# Altium PCB mV_meter.PcbDoc (part 1 of 3) (continued)
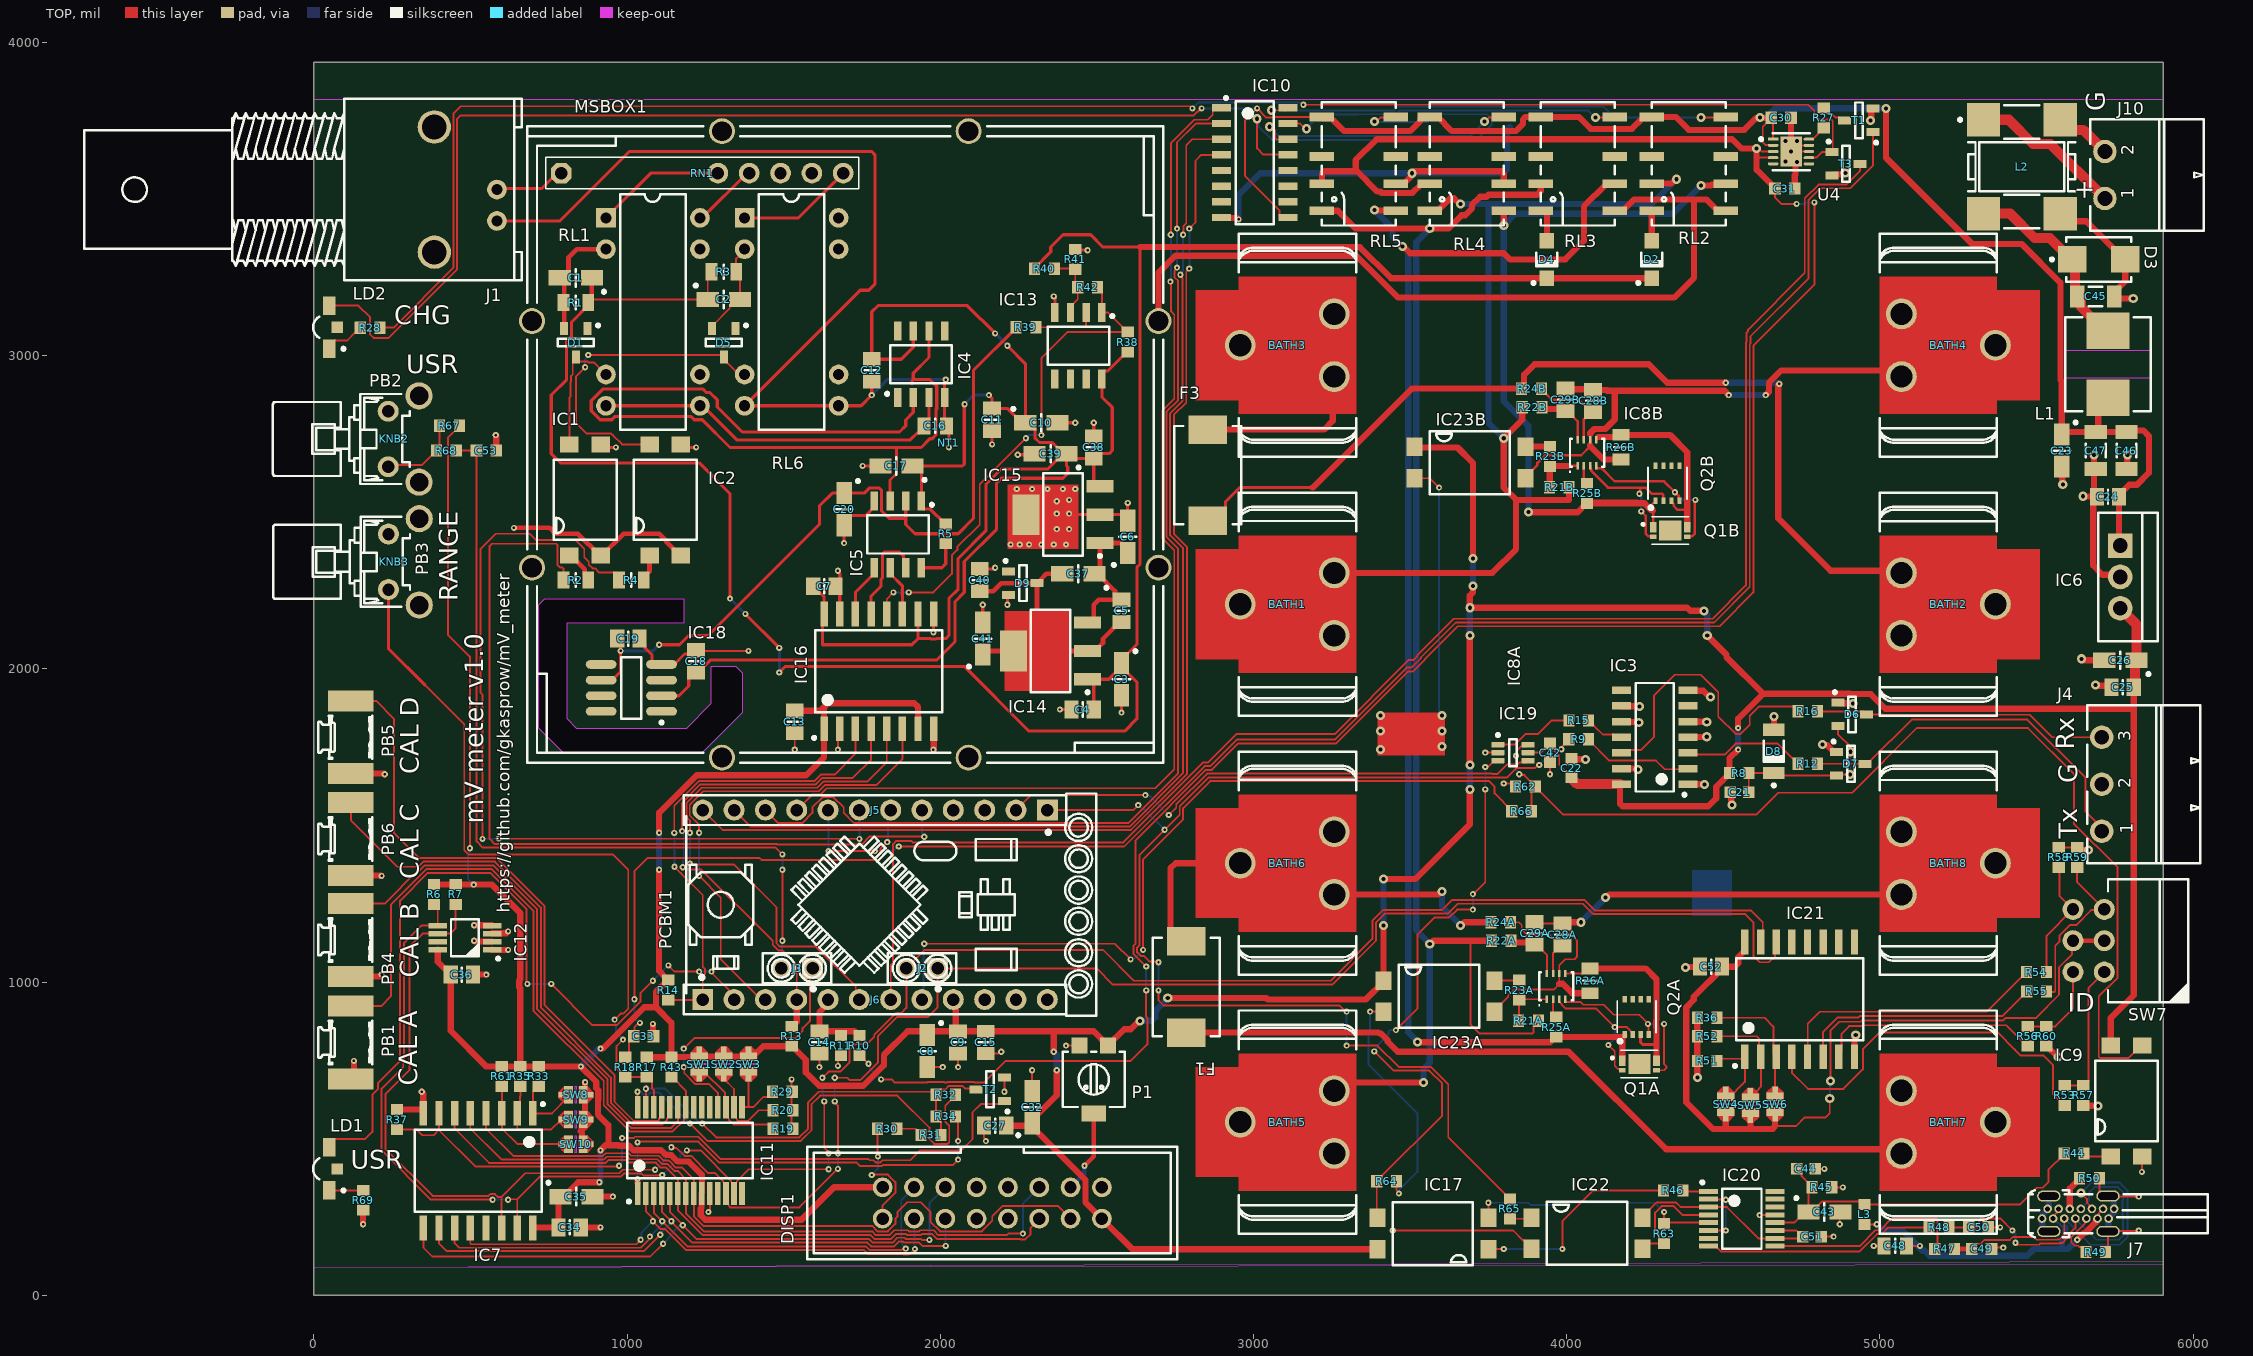
[diagram p0: TOP view]
## Part data (continued)
C49 C50: library part CC0603_47PF_50V_5%_NP0, "Non-polarised capacitor", Case=0603, Manufacturer=GENERIC, Manufacturer1 ComponentHeight=0.87mm, Manufacturer1 Example=PHYCOMP, Manufacturer1 Part Number=223886715479, Tolerance=±5%, Voltage=50V, Author="CERN DEM JLC", Component Type=Standard, CreateDate=03.12.2007, HelpURL=\\cern.ch\dfs\Applications\Altium\Datasheets\CC0603_NP0_PHYCOMP.pdf, LatestRevisionDate=03.12.2007, Manufacturer Part Number=CC0603_47PF_50V_5%_NP0, Mounted=Yes, Part Description="SMD Multilayer Chip Ceramic Capacitor", Part Number=CC0603_47PF_50V_5%_NP0, Pin Count=2, Sense=No, SMD=Yes, Socket=No, Status=Preferred, TC=C0G/NP0
D1 D5 D6 D7 D9: "Serial Diode", Case=SOT23-3, Manufacturer="FAIRCHILD SEMICONDUCTOR", Power=350mW, Voltage=70V, Author="CERN DEM JLC", Bonding=No, Component Type=Standard, ComponentHeight=1.1mm, CreateDate=06.05.2008, Device=BAV99, HelpURL=\\cern.ch\dfs\Applications\Altium\Datasheets\BAV99.pdf, LatestRevisionDate=27.09.2012, Manufacturer Part Number=BAV99, Mounted=Yes, PackageDescription="SOT, 0.95mm Pitch; 3 Pin, 1.40mm W X 3.00mm L X 1.10mm H body, IPC Medium Density", Part Description="Dual Series Signal Diode", Part Number=BAV99, Pin Count=3, PressFit=No, Sense=No, SMD=Yes, Socket=No
D2 D4: "Schottky Diode", Case=SOD-123FL, Manufacturer="ON SEMICONDUCTOR", Power=2A, Voltage=40V, Author="CERN DEM BC", Bonding=No, Component Type=Standard, ComponentHeight=1.08mm, CreateDate=06.10.2020, Device=SS24FL, HelpURL=\\cern.ch\dfs\Applications\Altium\Datasheets\SS24FL.pdf, LatestRevisionDate=06.10.2020, Manufacturer Part Number=SS24FL, Mounted=Yes, PackageDescription="SODFL Diode (SOD123FL); 2.75mm W X 1.72mm L X 1.08mm H body, IPC Medium Density", Part Description="Surface Mount Schottky Barrier Rectifier", Part Number=SS24FL, Pin Count=2, PressFit=No, Sense=No, SMD=Yes, Socket=No
D3: "Zener Diode", Case=DO-214AA, Manufacturer="FAIRCHILD SEMICONDUCTOR", Power=600W, Voltage=12V, Author="CERN DEM JLC", Bonding=No, Component Type=Standard, ComponentHeight=2.65mm, CreateDate=10.04.2013, Device=SMBJ12A, HelpURL=\\cern.ch\dfs\Applications\Altium\Datasheets\SMBJ.pdf, LatestRevisionDate=10.04.2013, Manufacturer Part Number=SMBJ12A, Mounted=Yes, PackageDescription="DO-214-AA/SMB Diode, Molded Body; 5.34mm L X 3.625mm W X 2.65mm H, IPC Medium Density", Part Description="Uni-Directional Transient Voltage Suppressor Diode", Part Number=SMBJ12A, Pin Count=2, PressFit=No, Sense=No, SMD=Yes, Socket=No
D8: "Zener Diode", Case=SOD-80C, Manufacturer=NEXPERIA, Power=500mW, Voltage=3V3, Author="CERN DEM JLC", Bonding=No, Component Type=Standard, ComponentHeight=1.6mm, CreateDate=06.05.2008, Device=BZV55-B3V3, HelpURL=\\cern.ch\dfs\Applications\Altium\Datasheets\BZV55.pdf, LatestRevisionDate=22.01.2018, Manufacturer Part Number=BZV55-B3V3, Mounted=Yes, PackageDescription="SOD80C, MELF Diode, 2-Leads, Body 3.5x1.5mm, IPC Medium Density", Part Description="Voltage Regulator Diode", Part Number=BZV55-B3V3, Pin Count=2, PressFit=No, Sense=No, SMD=Yes, Socket=No
DISP1: "LCD character display socket with backlight"
F1 F3: library part FUSR_BOURNS_MF-SM300-2, "Fuse", Manufacturer=BOURNS, Manufacturer Part Number=MF-SM300-2, Author="CERN DEM JLC", Component Type=Standard, ComponentHeight=3mm, CreateDate=15.08.2013, Family="Fuses Resettable", HelpURL=\\cern.ch\dfs\Applications\Altium\Datasheets\FUSR_BOURNS_MF-SM300-2.pdf, LatestRevisionDate=15.08.2013, Mounted=Yes, PackageDescription="PolySwitch, 2-Leads, Body 7.35x5.12mm Nominal", Part Description="PTC Resettable Fuse", Part Number=FUSR_BOURNS_MF-SM300-2, Pin Count=2, PressFit=No, Sense=No, SMD=Yes, Socket=No
IC1 IC2 IC9 IC17 IC22 IC23A IC23B: "Single Optocoupler", Case=SOIC4, Manufacturer="FAIRCHILD SEMICONDUCTOR", Author="CERN DEM JLC", Bonding=No, Component Type=Standard, ComponentHeight=4.6mm, CreateDate=21.07.2014, Device=FOD817DSD, HelpURL=\\cern.ch\dfs\Applications\Altium\Datasheets\FOD817DSD.pdf, LatestRevisionDate=21.07.2014, Manufacturer Part Number=FOD817DSD, Mounted=Yes, PackageDescription="SOIC, 2.54mm Pitch; 4 Pin, 6.50mm W X 4.60mm L X 4.60mm H body", Part Description="4-Pin High Operating Temperature Phototransistor Optocoupler", Part Number=FOD817DSD, Pin Count=4, PressFit=No, Sense=No, SMD=Yes, Socket=No
IC3: "Quadruple Bus Buffer with 3-State Outputs", Case=SOIC14, Manufacturer="TEXAS INSTRUMENTS", Author="CERN DEM JLC", Bonding=No, Component Type=Standard, ComponentHeight=1.75mm, CreateDate=30.06.2011, Device=SN74HC125D, HelpURL=\\cern.ch\dfs\Applications\Altium\Datasheets\SN74HC125D.pdf, LatestRevisionDate=30.06.2011, Manufacturer Part Number=SN74HC125D, Mounted=Yes, PackageDescription="SOIC 14, Pitch 1.27mm - Body 4x8.75mm, IPC Medium Density", Part Description="Quadruple Bus Buffer with 3-State Outputs", Part Number=SN74HC125D, Pin Count=14, PressFit=No, Sense=No, SMD=Yes, Socket=No
IC4: "Operational Amplifier", Case=SOIC8, Manufacturer="ANALOG DEVICES", Manufacturer Part Number=AD8628AR, Author="CERN DEM JMW", Bonding=No, Component Type=Standard, ComponentHeight=1.75mm, CreateDate=30.11.2009, Device=AD8628ARZ, HelpURL=\\cern.ch\dfs\Applications\Altium\Datasheets\AD8628ARZ.pdf, LatestRevisionDate=29.03.2022, Mounted=Yes, PackageDescription="SOIC 8, Pitch 1.27mm - Body 4x5mm, IPC Medium Density", Part Description="Zero-Drift, Single-Supply, Rail-to-Rail Input/Output Operational Amplifier", Part Number=AD8628ARZ, Pin Count=8, PressFit=No, Sense=No, SMD=Yes, Socket=No
IC5: library part ADC_LTC2400IS8PBF, "24-Bit μPower / No Latency ∆ΣTM ADC in SO-8", Manufacturer="Analog Devices", MPN=LTC2400IS8#PBF, Package=SOIC-8, PartNumber=LTC2400IS8PBF, DeviceSetName=LTC2400IS8PBF, GateName_1=A, LibraryName=LTC_By_element14_Batch_1, OC_FARNELL=1500953, OC_NEWARK=56M5404, Supplier="Linear Technology"
IC6: library part MC78M05CTG_v, "3-Terminal Regulator 1=IN 2=GND 3=OUT", Case=TO-220, Manufacturer="ON SEMICONDUCTOR", Manufacturer Part Number=MC78M05CT, Author="CERN DEM JLC", Bonding=No, Component Type=Standard, ComponentHeight=19.68mm, CreateDate=08.03.2018, Device=MC78M05CTG, HelpURL=\\cern.ch\dfs\Applications\Altium\Datasheets\MC78M05CTG.pdf, LatestRevisionDate=24.05.2022, Mounted=Yes, PackageDescription="TO-220 3-Terminal - Vertical Mount", Part Description="3-Terminal 5V 500mA Positive Voltage Regulator", Part Number=MC78M05CTG_v, Pin Count=4, PressFit=No, Sense=No, SMD=No, Socket=No
IC7 IC21: "Remote 8-bit I/O Expander For I2C Bus", Case=SOIC16W, Manufacturer="TEXAS INSTRUMENTS", Author="CERN DEM JLC", Bonding=No, Component Type=Standard, ComponentHeight=2.65mm, CreateDate=25.08.2011, Device=PCF8574DW, HelpURL=\\cern.ch\dfs\Applications\Altium\Datasheets\PCF8574DW.pdf, LatestRevisionDate=25.08.2011, Manufacturer Part Number=PCF8574DW, Mounted=Yes, PackageDescription="SOIC, 1.27mm Pitch; 16 Pin, 7.50mm W X 10.3mm L X 2.65mm H body, IPC Medium Density", Part Description="Remote 8-bit I/O Expander for I2C Bus", Part Number=PCF8574DW, Pin Count=16, PressFit=No, Sense=No, SMD=Yes, Socket=No
IC8A IC8B: library part PM_S-82A2BAA-I8T1U, "BATTERY PROTECTION IC / FOR 2-SERIAL-CELL PACK", Manufacturer=ABLIC, Manufacturer Part Number=S-82A2BAA-I8T1U
IC10: "High-Voltage High-Current Darlington Array", Case=SOIC16, Manufacturer="TEXAS INSTRUMENTS", Author="CERN DEM JLC", Bonding=No, Component Type=Standard, ComponentHeight=1.75mm, CreateDate=04.08.2009, Device=ULN2003AD, HelpURL=\\cern.ch\dfs\Applications\Altium\Datasheets\ULN2003AD.pdf, LatestRevisionDate=04.08.2009, Manufacturer Part Number=ULN2003AD, Mounted=Yes, PackageDescription="SOIC 16, Pitch 1.27mm - Body 4x10mm, IPC Medium Density", Part Description="High-Voltage High-Current Darlington Array", Part Number=ULN2003AD, Pin Count=16, PressFit=No, Sense=No, SMD=Yes, Socket=No
IC11: "16-bit I/O Port Expander With Serial Interface", Case=SSOP28, Manufacturer="MICROCHIP TECHNOLOGY", Author="CERN DEM JLC", Bonding=No, Component Type=Standard, ComponentHeight=2mm, CreateDate=17.01.2011, Device=MCP23017-E/SS, HelpURL=\\cern.ch\dfs\Applications\Altium\Datasheets\MCP23017-E-SS.pdf, LatestRevisionDate=17.01.2011, Manufacturer Part Number=MCP23017-E/SS, Mounted=Yes, PackageDescription="SOP, 0.65mm Pitch; 28 Pin, 5.30mm W X 10.20mm L X 2.00mm H Body, IPC Medium Density", Part Description="16-bit I/O Port Expander with Serial Interface", Part Number=MCP23017-E/SS, Pin Count=28, PressFit=No, Sense=No, SMD=Yes, Socket=No
IC12: "64K I2C Serial EEPROM", Case=MSOP8, Manufacturer="MICROCHIP TECHNOLOGY", Author="CERN DEM JLC", Bonding=No, Component Type=Standard, ComponentHeight=1.1mm, CreateDate=24.01.2011, Device=24LC64-I/MS, HelpURL=\\cern.ch\dfs\Applications\Altium\Datasheets\24LC64-I-MS.pdf, LatestRevisionDate=24.01.2011, Manufacturer Part Number=24LC64-I/MS, Mounted=Yes, PackageDescription="SOP, 0.65mm pitch; 8 pin, 3.00mm W X 3.00mm L X 1.10mm H body, IPC Medium Density", Part Description="2.5V-5.5V, 64K (8K x 8-bit) I2C Serial EEPROM", Part Number=24LC64-I/MS, Pin Count=8, PressFit=No, Sense=No, SMD=Yes, Socket=No
IC13: "Dual Operational Amplifier", Case=SOIC8, Manufacturer="TEXAS INSTRUMENTS", Manufacturer Part Number=LMV393M, Author="CERN DEM JLC", Bonding=No, Component Type=Standard, ComponentHeight=1.75mm, CreateDate=29.11.2012, Device=LMV393M/NOPB, HelpURL=\\cern.ch\dfs\Applications\Altium\Datasheets\LMV393M-NOPB.pdf, LatestRevisionDate=01.06.2022, Mounted=Yes, PackageDescription="SOIC 8, Pitch 1.27mm - Body 4x5mm, IPC Medium Density", Part Description="Dual General Purpose, Low Voltage, Tiny Pack Comparator", Part Number=LMV393M/NOPB, Pin Count=8, PressFit=No, Sense=No, SMD=Yes, Socket=No
IC14 IC15: library part CMP-0136-00522-1, "250 mA, 16V, Low Quiescent Current LDO Regulator, 3-Pin SOT-223, Extended Temperature", DatasheetVersion="revD, Sep-2009", PackageDescription="3-Lead Plastic Small Outline Transistor (DB) [SOT-223]", PackageReference=SOT-223-DB3, PackageVersion="revBB, Aug-2009"
IC16: "Quad Channel (Two Channels in Each Direction), 150Mbps, Digital Isolator", Case=SOIC16W, Manufacturer="TEXAS INSTRUMENTS", Author="CERN DEM HF", Bonding=No, Component Type=Standard, ComponentHeight=2.65mm, CreateDate=25.10.2022, Device=ISO7242CDW, HelpURL=\\cern.ch\dfs\Applications\Altium\Datasheets\ISO724XX.pdf, LatestRevisionDate=25.10.2022, Manufacturer Part Number=ISO7242CDW, Mounted=Yes, PackageDescription="SOIC, 1.27mm Pitch; 16 Pin, 7.50mm W X 10.3mm L X 2.65mm H body, IPC Medium Density", Part Description="Quad Channel (2/2 Channel Directionality), 25Mbps, Digital Isolator", Part Number=ISO7242CDW, Pin Count=16, PressFit=No, Sense=No, SMD=Yes, Socket=No
IC18: library part CMP-0784-00192-1, "Ultralow Noise, High Accuracy Voltage Reference, 4.096 V Output, 3 to 15 V Supply, Industrial, 8-pin SOIC (R-8), Tube", Manufacturer="Analog Devices", Operating Temp Range="-40 to 125 degC", Code_JEDEC=MS-012-AA, ComponentLink1Description="Manufacturer URL", ComponentLink1URL=http://www.analog.com/en/index.html, ComponentLink2Description=Datasheet, ComponentLink2URL=http://www.analog.com/static/imported-files/data_sheets/ADR4520_4525_4530_4533_4540_4550.pdf, ComponentLink3Description="Package Specification", ComponentLink3URL=http://www.analog.com/static/imported-files/packages/PKG_PDF/SOIC_Narrow%20(R)/R_8.pdf, ComponentLink4Description="URL Link1", ComponentLink4URL="Product URL:http://www.analog.com/en/special-linear-functions/voltage-references/adr4540/products/product.html", DatasheetVersion="Rev. 0", Max V Supply (V)=15, Min V Supply (V)=3, Mounting Technology="Surface Mount", PackageDescription="8-Pin Standard Small Outline Package, Body 4.9 x 3.9 mm, Pitch 1.27 mm", PackageReference=R-8, PackageVersion="060506-A, 06/2006", Packing=Tube, PartNumber=ADR4540BRZ, Ref Out TC (ppm/C)=2, Vout=4.096V
IC19: library part CMP-0859-00523-3, "Low-Power Configurable Multiple-Function Gate, DCK0006A, LARGE T&R", F @ Nom Voltage(Max)(Mhz)=100, Generic Part Number=SN74AUP1G97, ICC @ Nom Voltage(Max)(mA)=0.0009, Manufacturer="Texas Instruments", Operating Temperature Range(C)="-40 to 85", Rating=Catalog, tpd @ Nom Voltage(Max)(ns)=36.7,21.4,14.8,11.8,8.8,7.3, Voltage(Nom)(V)=0.8,1.2,1.5,1.8,2.5,3.3, 3-State Output=No, Bits(#)=1, DatasheetVersion=SCES505J, Gate Type=Configurable, Input Type=CMOS, Logic=True, Output Drive (IOL/IOH)(Max)(mA)=20/-20, Output Type=CMOS, PackageReference=DCK0006A, Schmitt Trigger=No, Sub-Family="Configurable Logic", Technology Family=AUP, VCC(Max)(V)=3.6, VCC(Min)(V)=0.8
IC20: "USB To Basic UART IC", Case=SSOP16, Manufacturer="FUTURE TECHNOLOGY DEVICES INTERNATIONAL (FTDI)", Author="CERN DEM JLC", Bonding=No, Component Type=Standard, ComponentHeight=1.75mm, CreateDate=12.02.2013, Device=FT230XS-R, HelpURL=\\cern.ch\dfs\Applications\Altium\Datasheets\FT230XS-R.pdf, LatestRevisionDate=12.02.2013, Manufacturer Part Number=FT230XS-R, Mounted=Yes, PackageDescription="SOP, 0.635mm Pitch; 16 Pin, 3.9mm W X 4.895mm L X 1.75mm H body, IPC Medium Density", Part Description="USB to Serial UART Interface", Part Number=FT230XS-R, Pin Count=16, PressFit=No, Sense=No, SMD=Yes, Socket=No
J1: library part TYCO_1-1337542-0, Manufacturer="TYCO ELECTRONICS", Manufacturer Part Number=1-1337542-0, Author="CERN DEM JLC", Component Type=Standard, ComponentHeight=13.16mm, CreateDate=02.02.2012, Family=BNC, HelpURL=\\cern.ch\dfs\Applications\Altium\Datasheets\TYCO_1-1337542-0.pdf, LatestRevisionDate=02.02.2012, Mounted=Yes, Part Description="50 Ohms  BNC Elbow PCB Socket with Mounting Posts", Part Number=TYCO_1-1337542-0, Pin Count=2, PressFit=No, Sense=No, SMD=No, Socket=No, Status=None
J2 J3: library part SAMTEC_SSW-102-02-G-S, "Connector 2 Female", Manufacturer=SAMTEC, Manufacturer Part Number=SSW-102-02-G-S, Author="CERN DEM JLC", Component Type=Standard, ComponentHeight=8.51mm, CreateDate=27.01.2011, Family="Socket 2", HelpURL=\\cern.ch\dfs\Applications\Altium\Datasheets\SAMTEC_SSW-102-02-G-S.pdf, LatestRevisionDate=27.01.2011, Mounted=Yes, Part Description="2 Contacts, Pitch 2.54mm, Single Row Through Mount Straight Socket (Lead Length 4.93mm)", Part Number=SAMTEC_SSW-102-02-G-S, Pin Count=2, PressFit=No, Sense=No, SMD=No, Socket=No, Status=None
J4: library part PHOENIX_1803280, "Connector 3 Male", Manufacturer="PHOENIX CONTACT", Manufacturer Part Number="1803277 (MC 1,5/ 3-G-3,81)", Author="CERN DEM BC", Component Type=Standard, ComponentHeight=7.25mm, CreateDate=23.09.2019, HelpURL=\\cern.ch\dfs\Applications\Altium\Datasheets\PHOENIX_1803280.pdf, LatestRevisionDate=23.09.2019, Mounted=Yes, Part Description="8A 160 V, Pitch: 3.81mm, 3 Positions  Right Angled Header", Part Number=PHOENIX_1803280, Pin Count=3, PressFit=No, Sense=No, SMD=No, Socket=No, Status=None
J5 J6: library part SAMTEC_SSW-112-01-G-S, "Connector 12 Female", Manufacturer=SAMTEC, Manufacturer Part Number=SSW-112-01-G-S, Author="CERN DEM BR", Component Type=Standard, ComponentHeight=8.51mm, CreateDate=30.04.2019, Family="Socket 12", HelpURL=\\cern.ch\dfs\Applications\Altium\Datasheets\SAMTEC_SSW-112-01-G-S.pdf, LatestRevisionDate=30.04.2019, Mounted=Yes, Part Description="12 Contacts, Pitch 2.54mm, Single Row Through Mount Straight Socket (Lead Length 2.64mm)", Part Number=SAMTEC_SSW-112-01-G-S, Pin Count=12, PressFit=No, Sense=No, SMD=No, Socket=No, Status=None
J7: library part KYCON_KUSBX-SL-CS1N14-B, "2x7 Pin + 1 Shield  USB Type C Receptacle", Manufacturer=KYCON, Manufacturer Part Number=KUSBX-SL-CS1N14-B, Author="CERN DEM BC", Component Type=Standard, ComponentHeight=8.34mm, CreateDate=03.11.2020, Family="USB 2.0", HelpURL=\\cern.ch\dfs\Applications\Altium\Datasheets\KYCON_KUSBX-SL-CS1N14-B.pdf, LatestRevisionDate=03.11.2020, Mounted=Yes, Part Description="USB 2.0 Type C Receptacle, High Temp., Flag Style Through Hole 14 Pin, Black", Part Number=KYCON_KUSBX-SL-CS1N14-B, Pin Count=18, PressFit=No, Sense=No, SMD=No, Socket=No, Status=None
J10: library part PHOENIX_1803277, "Connector 2 Male", Manufacturer="PHOENIX CONTACT", Manufacturer Part Number="1803277 (MC 1,5/ 2-G-3,81)", Author="CERN DEM JLC", Component Type=Standard, ComponentHeight=7.25mm, CreateDate=06.05.2014, HelpURL=\\cern.ch\dfs\Applications\Altium\Datasheets\PHOENIX_1803277.pdf, LatestRevisionDate=06.05.2014, Mounted=Yes, Part Description="8A 160 V, Pitch: 3.81mm, 2 Positions  Right Angled Header", Part Number=PHOENIX_1803277, Pin Count=2, PressFit=No, Sense=No, SMD=No, Socket=No, Status=None
KNB2 KNB3: library part KNB_OMRON_B32-2010_h, "Knob For Push-Button Switch OMRON SERIE B32", Manufacturer=OMRON, Manufacturer Part Number=B32-2010, Author="CERN DEM HF", Component Type=Mechanical, ComponentHeight=7mm, CreateDate=13.05.2022, Family=Knob, HelpURL=\\cern.ch\dfs\Applications\Altium\Datasheets\KNB_OMRON_B32-2010.pdf, LatestRevisionDate=13.05.2022, Mounted=Yes, PackageDescription="Black Knob For OMRON Push-Button Switch (Dia. 6mm L=5.5mm) Horizontal", Part Description="Black Knob For OMRON Push-Button Switch (Dia. 6mm L=5.5mm)", Part Number=KNB_OMRON_B32-2010_h, Pin Count=0, PressFit=No, Sense=No, SMD=No, Socket=No, Status=None
L1: library part IND_47UH_20%_WURTH_WE-LHMI_74437349470, "Inductor With Core", Manufacturer="WURTH ELEKTRONIK", Manufacturer Part Number=74437349470, Power=1.45A, Resistance=0.290R, Tolerance=±20%, Author="CERN DEM HF", Component Type=Standard, ComponentHeight=5mm, CreateDate=22.11.2023, HelpURL=\\cern.ch\dfs\Applications\Altium\Datasheets\IND_WURTH_WE-LHMI_74437349470.pdf, LatestRevisionDate=22.11.2023, Mounted=Yes, Part Description="SMD Power Inductor (WE-LHMI Series)", Part Number=IND_47UH_20%_WURTH_WE-LHMI_74437349470, Pin Count=2, Sense=No, SMD=Yes, Socket=No
L2: library part IND_1MH_40%_BOURNS_SRF1006, "Inductor Common Mode", Manufacturer=BOURNS, Manufacturer Part Number=SRF1006-102Y, Power=0.95A, Resistance=0.180R, Tolerance=±40%, Author="CERN DEM HF", Component Type=Standard, ComponentHeight=6.5mm, CreateDate=30.01.2024, HelpURL=\\cern.ch\dfs\Applications\Altium\Datasheets\IND_BOURNS_SRF1006.pdf, LatestRevisionDate=30.01.2024, Mounted=Yes, Part Description="Line Filter, Common Mode Choke", Part Number=IND_1MH_40%_BOURNS_SRF1006, Pin Count=2, Sense=No, SMD=Yes, Socket=No
L3: library part IND0603_TDK_MPZ1608S331ATA00, Case=0603, Manufacturer=TDK, Manufacturer Part Number=MPZ1608S331ATA00, Power=1.7A, Resistance=0.08R, Tolerance=±25%, Author="CERN DEM JLC", Component Type=Standard, ComponentHeight=0.8mm, CreateDate=10.01.2018, HelpURL=\\cern.ch\dfs\Applications\Altium\Datasheets\IND0603_TDK_MPZ1608.pdf, LatestRevisionDate=25.10.2018, Mounted=Yes, Part Description="SMT Chip Bead for Power Line", Part Number=IND0603_TDK_MPZ1608S331ATA00, Pin Count=2, Sense=No, SMD=Yes, Socket=No
LD1 LD2: library part LED_AVAGO_HSME-C110, "LED Green 1C 2A", Case=1206, Manufacturer="AVAGO TECHNOLOGIES", Manufacturer Part Number=HSME-C110, Author="CERN DEM JMW", Bonding=No, Color=Green, Component Type=Standard, ComponentHeight=1.1mm, ComponentLink1Description="Design Guide", ComponentLink1URL=\\cern.ch\dfs\Applications\Altium\Datasheets\LED_AVAGO_HSME-C110_DESIGN-GUIDE.pdf, CreateDate=30.07.2009, HelpURL=\\cern.ch\dfs\Applications\Altium\Datasheets\LED_AVAGO_HSME-C110.pdf, LatestRevisionDate=20.06.2012, Mounted=Yes, PackageDescription="Green Chip LED, 2-Leads, Body 3.3x1.6mm, Side Emitting Package", Part Description="High Performance Right Angle Chip Green LED", Part Number=LED_AVAGO_HSME-C110, Pin Count=2, PressFit=No, Sense=No, SMD=Yes, Socket=No
MSBOX1: library part MSBOX_PERANCEA_PFL6T, Manufacturer=PERANCEA, Manufacturer Part Number=PFL6T, Author="CERN DEM JLC", Component Type=Standard, ComponentHeight=16mm, CreateDate=08.12.2008, HelpURL=\\cern.ch\dfs\Applications\Altium\Datasheets\MSBOX_PERANCEA_PFL6T.pdf, LatestRevisionDate=08.12.2008, Mounted=Yes, PackageDescription="Metal Screening Box, Internal dimensions L50 x W50 x H15mm, Overall Size 55x55x16mm", Part Description="Metal Screening Box, Internal dimensions L50 x W50 x H15mm, Overall Size 55x55x16mm (No 8 pins)", Part Number=MSBOX_PERANCEA_PFL6T, Pin Count=8, PressFit=No, Sense=No, SMD=No, Socket=No, Status=None
P1: library part TRIM_1T_10K_BOURNS_3314G-1-103E, "Trimming Potentiometer", Case=3314G-1, Manufacturer=BOURNS, Manufacturer Part Number=3314G-1-103E, Power=0.25W, Tolerance=±20%, Author="CERN DEM JLC", Component Type=Standard, ComponentHeight=2.55mm, CreateDate=04.03.2014, HelpURL=\\cern.ch\dfs\Applications\Altium\Datasheets\TRIM_BOURNS_3314G-1.pdf, LatestRevisionDate=04.03.2014, Mounted=Yes, Part Description="Single Turn 4mm Square Trimpot® Trimming Potentiometer (Top Adjust)", Part Number=TRIM_1T_10K_BOURNS_3314G-1-103E, Pin Count=3, PressFit=No, Sense=No, SMD=Yes, Socket=No, TC=±100ppm/°C
PB1 PB4 PB5 PB6: library part PB_C&K_KSS221GLFS, "Push-Button Switch SPST", Manufacturer=C&K, Manufacturer Part Number=KSS221GLFS, Author="CERN DEM BC", Component Type=Standard, ComponentHeight=1.7mm, CreateDate=02.12.2019, Family="Push Button", HelpURL=\\cern.ch\dfs\Applications\Altium\Datasheets\PB_C&K_KSS221GLFS.pdf, LatestRevisionDate=02.12.2019, Mounted=Yes, PackageDescription="Body 7.0x3.5mm, Surface Mount Subminiature Tact Side Actuated Switch, C&K KSS Series", Part Description="32VDC 50mA SPST-NO Surface Mount Subminiature Tact Momentary Side Actuated Pushbutton Switch, Operating Force 2N", Part Number=PB_C&K_KSS221GLFS, Pin Count=2, PressFit=No, Sense=Yes, Sense Comment=Non-washable, SMD=Yes, Socket=No, Status=None
PB2 PB3: library part PB_OMRON_B3F-3150, "Push-Button Switch SPST", Manufacturer=OMRON, Manufacturer Part Number=B3F-3150, Author="CERN DEM HF", Component Type=Standard, ComponentHeight=7.4mm, CreateDate=13.05.2022, Family="Push Button", HelpURL=\\cern.ch\dfs\Applications\Altium\Datasheets\PB_OMRON_B3F-3150.pdf, LatestRevisionDate=13.05.2022, Mounted=Yes, PackageDescription="7.3x6.25mm Model, Side-operated , Projected Plunger Type (without Ground Terminal) Pushbutton Switch, OMRON B3F Series", Part Description="24VDC 50mA SPST-NO Tactile Push-Button Switch, Side-operated (h=7.4mm)", Part Number=PB_OMRON_B3F-3150, Pin Count=4, PressFit=No, Sense=No, SMD=No, Socket=No, Status=None
PCBM1: library part "PCBM_ARDUINO PRO MINI extra pins", "Arduino PRO MINI Printed Circuit Board Module", Manufacturer=ARDUINO, Part Number="PCBM_ARDUINO PRO MINI", Author="CERN DEM HF", Bonding=No, Component Type=Standard, ComponentHeight=15.4mm, CreateDate=06.09.2022, Device="ARDUINO PRO MINI", HelpURL="\\cern.ch\dfs\Applications\Altium\Datasheets\PCBM_ARDUINO PRO MINI.pdf", LatestRevisionDate=06.09.2022, Manufacturer Part Number="ARDUINO PRO MINI", Mounted=Yes, PackageDescription="Microcontroller Board Arduino PRO MINI", Part Description="Arduino PRO MINI Printed Circuit Board Module", Pin Count=0, PressFit=No, Sense=No, SMD=No, Socket=No
Q1A Q1B: library part Q_DMN2008LFU-7, "Mosfet Array 2 N-Channel (Dual) Common Drain 20V 14.5A 1W Surface Mount U-DFN2030-6 (Type B)", Package="UFDFN-6 Diodes Inc.", Check_prices=https://www.snapeda.com/parts/DMN2008LFU-7/Diodes%20Inc./view-part/612914/?ref=eda, Digi-Key_Part_Number=DMN2008LFU-7DICT-ND, MF="Diodes Inc.", MP=DMN2008LFU-7, Purchase-URL=https://pricing.snapeda.com/search/part/DMN2008LFU-7/?ref=eda, SnapEDA_Link=https://www.snapeda.com/parts/DMN2008LFU-7/Diodes%20Inc./view-part/612914/?ref=snap
Q2A Q2B: library part Q_ECH8697R-TL-W, "No Description Available", Built_By=EMA_Molly, Copyright="Copyright (C) 2018 Accelerated Designs. All rights reserved", Manufacturer_Part_Number=ECH8697R-TL-W, RefDes=RefDes, SourceLibrary=OnSemi_2021-05-28_2, Type=DEV, Vendor="ON Semiconductor"
R1 R2 R3 R4: library part R0805_470R_1%_0.125W_100PPM, "Resistor - 1%", Case=0805, Manufacturer=GENERIC, Manufacturer1 ComponentHeight=0.6mm, Manufacturer1 Example="NIC COMPONENT", Manufacturer1 Part Number=NRC10F4700TRF, Power=0.125W, Tolerance=±1%, Author="CERN DEM JLC", Component Type=Standard, CreateDate=03.12.2007, HelpURL=\\cern.ch\dfs\Applications\Altium\Datasheets\R0805_NIC_NRC.pdf, LatestRevisionDate=13.03.2008, Manufacturer Part Number=R0805_470R_1%_0.125W_100PPM, Mounted=Yes, Part Description="General Purpose Thick Film Chip Resistor", Part Number=R0805_470R_1%_0.125W_100PPM, Pin Count=2, PressFit=No, Sense=No, SMD=Yes, Socket=No, Status=Preferred, TC=±100ppm/°C
R5: library part R0603_0R_JUMPER, "Resistor", Case=0603, Manufacturer=GENERIC, Manufacturer1 ComponentHeight=0.55mm, Manufacturer1 Example="NIC COMPONENT", Manufacturer1 Part Number=NRC06Z0, Author="CERN DEM JLC", Component Type=Standard, CreateDate=03.12.2007, HelpURL=\\cern.ch\dfs\Applications\Altium\Datasheets\R0603_NIC_NRC.pdf, LatestRevisionDate=13.03.2008, Manufacturer Part Number=R0603_0R_JUMPER, Mounted=Yes, Part Description="1A (0.05R Max DC Resistance) Zero Ohm Jumper", Part Number=R0603_0R_JUMPER, Pin Count=2, PressFit=No, Sense=No, SMD=Yes, Socket=No, Status=Preferred
R6 R7 R11 R13 R14 R18 R19 R20 R29 R33 R35 R36 R38 R51 R52 R57 R58 R59 R60 R61 R62 R63 R64 R66 R68: library part R0603_10K_1%_0.1W_100PPM, "Resistor - 1%", Case=0603, Manufacturer=GENERIC, Manufacturer1 ComponentHeight=0.55mm, Manufacturer1 Example="NIC COMPONENT", Manufacturer1 Part Number=NRC06F1002TRF, Power=0.1W, Tolerance=±1%, Author="CERN DEM JLC", Component Type=Standard, CreateDate=03.12.2007, HelpURL=\\cern.ch\dfs\Applications\Altium\Datasheets\R0603_NIC_NRC.pdf, LatestRevisionDate=13.03.2008, Manufacturer Part Number=R0603_10K_1%_0.1W_100PPM, Mounted=Yes, Part Description="General Purpose Thick Film Chip Resistor", Part Number=R0603_10K_1%_0.1W_100PPM, Pin Count=2, PressFit=No, Sense=No, SMD=Yes, Socket=No, Status=Preferred, TC=±100ppm/°C
R8 R9 R15 R32 R34 R44 R45 R46 R53 R54 R55 R56 R65: library part R0603_470R_1%_0.1W_100PPM, "Resistor - 1%", Case=0603, Manufacturer=GENERIC, Manufacturer1 ComponentHeight=0.55mm, Manufacturer1 Example="NIC COMPONENT", Manufacturer1 Part Number=NRC06F4700TRF, Power=0.1W, Tolerance=±1%, Author="CERN DEM JLC", Component Type=Standard, CreateDate=03.12.2007, HelpURL=\\cern.ch\dfs\Applications\Altium\Datasheets\R0603_NIC_NRC.pdf, LatestRevisionDate=13.03.2008, Manufacturer Part Number=R0603_470R_1%_0.1W_100PPM, Mounted=Yes, Part Description="General Purpose Thick Film Chip Resistor", Part Number=R0603_470R_1%_0.1W_100PPM, Pin Count=2, PressFit=No, Sense=No, SMD=Yes, Socket=No, Status=Preferred, TC=±100ppm/°C
R10 R39: library part R0603_20K_1%_0.1W_100PPM, "Resistor - 1%", Case=0603, Manufacturer=GENERIC, Manufacturer1 ComponentHeight=0.55mm, Manufacturer1 Example="NIC COMPONENT", Manufacturer1 Part Number=NRC06F2002TRF, Power=0.1W, Tolerance=±1%, Author="CERN DEM JLC", Component Type=Standard, CreateDate=03.12.2007, HelpURL=\\cern.ch\dfs\Applications\Altium\Datasheets\R0603_NIC_NRC.pdf, LatestRevisionDate=13.03.2008, Manufacturer Part Number=R0603_20K_1%_0.1W_100PPM, Mounted=Yes, Part Description="General Purpose Thick Film Chip Resistor", Part Number=R0603_20K_1%_0.1W_100PPM, Pin Count=2, PressFit=No, Sense=No, SMD=Yes, Socket=No, Status=Preferred, TC=±100ppm/°C
R12 R16: library part R0603_330R_1%_0.1W_100PPM, "Resistor - 1%", Case=0603, Manufacturer=GENERIC, Manufacturer1 ComponentHeight=0.55mm, Manufacturer1 Example="NIC COMPONENT", Manufacturer1 Part Number=NRC06F3300TRF, Power=0.1W, Tolerance=±1%, Author="CERN DEM JLC", Component Type=Standard, CreateDate=03.12.2007, HelpURL=\\cern.ch\dfs\Applications\Altium\Datasheets\R0603_NIC_NRC.pdf, LatestRevisionDate=13.03.2008, Manufacturer Part Number=R0603_330R_1%_0.1W_100PPM, Mounted=Yes, Part Description="General Purpose Thick Film Chip Resistor", Part Number=R0603_330R_1%_0.1W_100PPM, Pin Count=2, PressFit=No, Sense=No, SMD=Yes, Socket=No, Status=Preferred, TC=±100ppm/°C
R17 R23A R23B R25A R25B R27 R28 R43 R67 R69: library part R0603_1K_1%_0.1W_100PPM, "Resistor - 1%", Case=0603, Manufacturer=GENERIC, Manufacturer1 ComponentHeight=0.55mm, Manufacturer1 Example="NIC COMPONENT", Manufacturer1 Part Number=NRC06F1001TRF, Power=0.1W, Tolerance=±1%, Author="CERN DEM JLC", Component Type=Standard, CreateDate=03.12.2007, HelpURL=\\cern.ch\dfs\Applications\Altium\Datasheets\R0603_NIC_NRC.pdf, LatestRevisionDate=13.03.2008, Manufacturer Part Number=R0603_1K_1%_0.1W_100PPM, Mounted=Yes, Part Description="General Purpose Thick Film Chip Resistor", Part Number=R0603_1K_1%_0.1W_100PPM, Pin Count=2, PressFit=No, Sense=No, SMD=Yes, Socket=No, Status=Preferred, TC=±100ppm/°C
R21A R21B: library part R0603_100K_1%_0.1W_100PPM, "Resistor - 1%", Case=0603, Manufacturer=GENERIC, Manufacturer1 ComponentHeight=0.55mm, Manufacturer1 Example="NIC COMPONENT", Manufacturer1 Part Number=NRC06F1003TRF, Power=0.1W, Tolerance=±1%, Author="CERN DEM JLC", Component Type=Standard, CreateDate=03.12.2007, HelpURL=\\cern.ch\dfs\Applications\Altium\Datasheets\R0603_NIC_NRC.pdf, LatestRevisionDate=13.03.2008, Manufacturer Part Number=R0603_100K_1%_0.1W_100PPM, Mounted=Yes, Part Description="General Purpose Thick Film Chip Resistor", Part Number=R0603_100K_1%_0.1W_100PPM, Pin Count=2, PressFit=No, Sense=No, SMD=Yes, Socket=No, Status=Preferred, TC=±100ppm/°C
R22A R22B R24A R24B R30 R31: library part R0603_100R_1%_0.1W_100PPM, "Resistor - 1%", Case=0603, Manufacturer=GENERIC, Manufacturer1 ComponentHeight=0.55mm, Manufacturer1 Example="NIC COMPONENT", Manufacturer1 Part Number=NRC06F4700TRF, Power=0.1W, Tolerance=±1%, Author="CERN DEM JLC", Component Type=Standard, CreateDate=03.12.2007, HelpURL=\\cern.ch\dfs\Applications\Altium\Datasheets\R0603_NIC_NRC.pdf, LatestRevisionDate=13.03.2008, Manufacturer Part Number=R0603_100R_1%_0.1W_100PPM, Mounted=Yes, Part Description="General Purpose Thick Film Chip Resistor", Part Number=R0603_100R_1%_0.1W_100PPM, Pin Count=2, PressFit=No, Sense=No, SMD=Yes, Socket=No, Status=Preferred, TC=±100ppm/°C
R26A R26B: library part R0805_0R05_1%_0.25W_300PPM, "Resistor - 1%", Case=0805, Manufacturer=GENERIC, Manufacturer1 ComponentHeight=0.60mm, Manufacturer1 Example="YAGEO PHYCOMP", Manufacturer1 Part Number="235051117500L or RL0805FR-7W0R05L", Power=0.25W, Tolerance=±1%, Author="CERN DEM MR", Component Type=Standard, CreateDate=31.03.2016, HelpURL=\\cern.ch\dfs\Applications\Altium\Datasheets\R0805_Phycomp_RL0805.pdf, LatestRevisionDate=31.03.2016, Manufacturer Part Number=R0805_0R05_1%_0.25W_300PPM, Mounted=Yes, Part Description="Low Resistance Thick Film Chip Resistor", Part Number=R0805_0R05_1%_0.25W_300PPM, Pin Count=2, PressFit=No, Sense=No, SMD=Yes, Socket=No, Status="Not Recommended", TC=±300ppm/°C
R37 R40: library part R0603_47K_1%_0.1W_100PPM, "Resistor - 1%", Case=0603, Manufacturer=GENERIC, Manufacturer1 ComponentHeight=0.55mm, Manufacturer1 Example="NIC COMPONENT", Manufacturer1 Part Number=NRC06F4702TRF, Power=0.1W, Tolerance=±1%, Author="CERN DEM JLC", Component Type=Standard, CreateDate=03.12.2007, HelpURL=\\cern.ch\dfs\Applications\Altium\Datasheets\R0603_NIC_NRC.pdf, LatestRevisionDate=13.03.2008, Manufacturer Part Number=R0603_47K_1%_0.1W_100PPM, Mounted=Yes, Part Description="General Purpose Thick Film Chip Resistor", Part Number=R0603_47K_1%_0.1W_100PPM, Pin Count=2, PressFit=No, Sense=No, SMD=Yes, Socket=No, Status=Preferred, TC=±100ppm/°C
R41: library part R0603_62K_1%_0.1W_100PPM, "Resistor - 1%", Case=0603, Manufacturer=GENERIC, Manufacturer1 ComponentHeight=0.55mm, Manufacturer1 Example="NIC COMPONENT", Manufacturer1 Part Number=NRC06F6202TRF, Power=0.1W, Tolerance=±1%, Author="CERN DEM JLC", Component Type=Standard, CreateDate=03.12.2007, HelpURL=\\cern.ch\dfs\Applications\Altium\Datasheets\R0603_NIC_NRC.pdf, LatestRevisionDate=13.03.2008, Manufacturer Part Number=R0603_62K_1%_0.1W_100PPM, Mounted=Yes, Part Description="General Purpose Thick Film Chip Resistor", Part Number=R0603_62K_1%_0.1W_100PPM, Pin Count=2, PressFit=No, Sense=No, SMD=Yes, Socket=No, Status=Preferred, TC=±100ppm/°C